# Altium PCB STB_LightBoard.PcbDoc (part 10 of 31)
Units mm, origin at the board's own origin, x right, y up, seen from the top; angles counter-clockwise.
Board outline 348 x 348 mm, 2 copper layers (Top Layer, Bottom Layer), stack 1.672 mm thick; 3807 components, 3391 nets, 11616 pads, 2553 vias.
Unrouted connection lines stored in the file: 68.
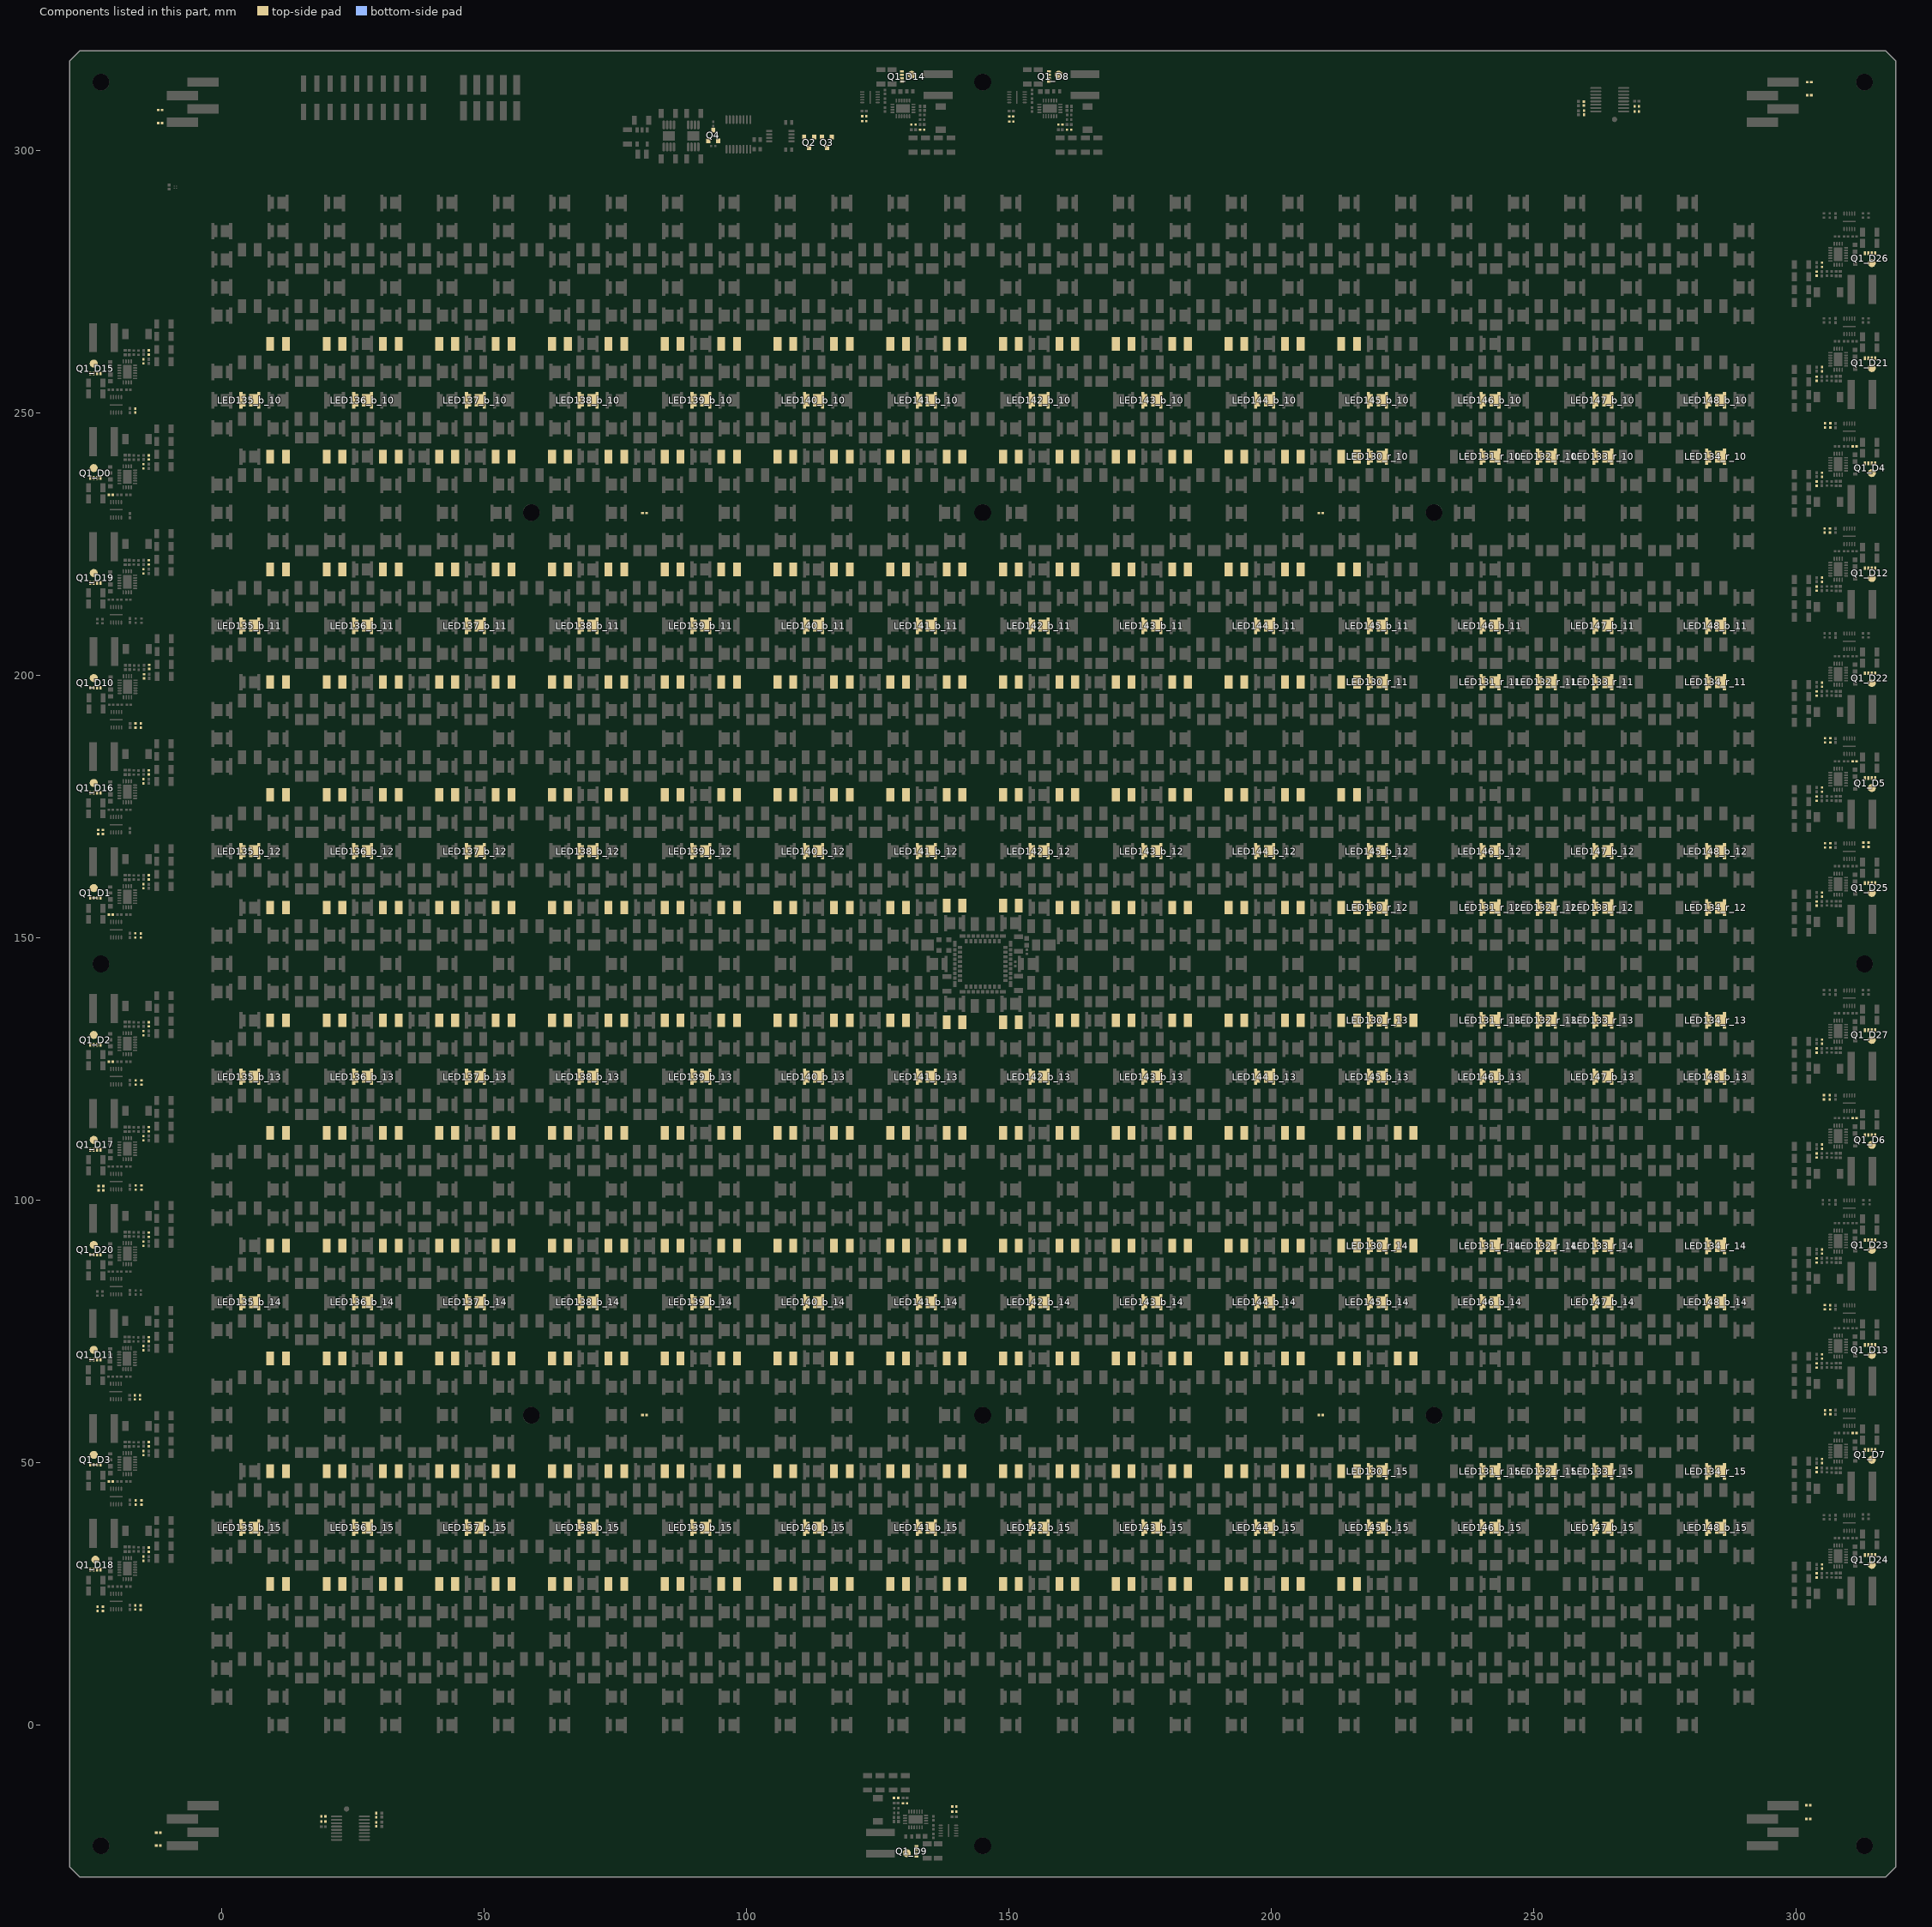
[diagram p10: the components of this part, seen from the top]

## Components (designator, comment, footprint, x,y, rotation, side; value= is the part's Value field where it differs from the comment) (continued)
LED109_IR850_22 "AREM-80C0-LM000" AREM-80C0-LM000 225.561,69.816 r0 top (schematic designator LED109)
LED109_IR850_23 "AREM-80C0-LM000" AREM-80C0-LM000 225.561,91.298 r0 top (schematic designator LED109)
LED109_IR850_24 "AREM-80C0-LM000" AREM-80C0-LM000 225.561,112.78 r0 top (schematic designator LED109)
LED109_IR850_25 "AREM-80C0-LM000" AREM-80C0-LM000 225.561,134.262 r0 top (schematic designator LED109)
LED110_IR850_10 "AREM-80C0-LM000" AREM-80C0-LM000 214.82,155.744 r0 top (schematic designator LED110)
LED110_IR850_11 "AREM-80C0-LM000" AREM-80C0-LM000 214.82,177.226 r0 top (schematic designator LED110)
LED110_IR850_12 "AREM-80C0-LM000" AREM-80C0-LM000 214.82,198.708 r0 top (schematic designator LED110)
LED110_IR850_13 "AREM-80C0-LM000" AREM-80C0-LM000 214.82,220.19 r0 top (schematic designator LED110)
LED110_IR850_14 "AREM-80C0-LM000" AREM-80C0-LM000 214.82,241.672 r0 top (schematic designator LED110)
LED110_IR850_15 "AREM-80C0-LM000" AREM-80C0-LM000 214.82,263.154 r0 top (schematic designator LED110)
LED110_IR850_20 "AREM-80C0-LM000" AREM-80C0-LM000 214.82,26.852 r0 top (schematic designator LED110)
LED110_IR850_21 "AREM-80C0-LM000" AREM-80C0-LM000 214.82,48.334 r0 top (schematic designator LED110)
LED110_IR850_22 "AREM-80C0-LM000" AREM-80C0-LM000 214.82,69.816 r0 top (schematic designator LED110)
LED110_IR850_23 "AREM-80C0-LM000" AREM-80C0-LM000 214.82,91.298 r0 top (schematic designator LED110)
LED110_IR850_24 "AREM-80C0-LM000" AREM-80C0-LM000 214.82,112.78 r0 top (schematic designator LED110)
LED110_IR850_25 "AREM-80C0-LM000" AREM-80C0-LM000 214.82,134.262 r0 top (schematic designator LED110)
LED111_IR850_10 "AREM-80C0-LM000" AREM-80C0-LM000 204.079,155.744 r0 top (schematic designator LED111)
LED111_IR850_11 "AREM-80C0-LM000" AREM-80C0-LM000 204.079,177.226 r0 top (schematic designator LED111)
LED111_IR850_12 "AREM-80C0-LM000" AREM-80C0-LM000 204.079,198.708 r0 top (schematic designator LED111)
LED111_IR850_13 "AREM-80C0-LM000" AREM-80C0-LM000 204.079,220.19 r0 top (schematic designator LED111)
LED111_IR850_14 "AREM-80C0-LM000" AREM-80C0-LM000 204.079,241.672 r0 top (schematic designator LED111)
LED111_IR850_15 "AREM-80C0-LM000" AREM-80C0-LM000 204.079,263.154 r0 top (schematic designator LED111)
LED111_IR850_20 "AREM-80C0-LM000" AREM-80C0-LM000 204.079,26.852 r0 top (schematic designator LED111)
LED111_IR850_21 "AREM-80C0-LM000" AREM-80C0-LM000 204.079,48.334 r0 top (schematic designator LED111)
LED111_IR850_22 "AREM-80C0-LM000" AREM-80C0-LM000 204.079,69.816 r0 top (schematic designator LED111)
LED111_IR850_23 "AREM-80C0-LM000" AREM-80C0-LM000 204.079,91.298 r0 top (schematic designator LED111)
LED111_IR850_24 "AREM-80C0-LM000" AREM-80C0-LM000 204.079,112.78 r0 top (schematic designator LED111)
LED111_IR850_25 "AREM-80C0-LM000" AREM-80C0-LM000 204.079,134.262 r0 top (schematic designator LED111)
LED112_IR850_10 "AREM-80C0-LM000" AREM-80C0-LM000 193.338,155.744 r0 top (schematic designator LED112)
LED112_IR850_11 "AREM-80C0-LM000" AREM-80C0-LM000 193.338,177.226 r0 top (schematic designator LED112)
LED112_IR850_12 "AREM-80C0-LM000" AREM-80C0-LM000 193.338,198.708 r0 top (schematic designator LED112)
LED112_IR850_13 "AREM-80C0-LM000" AREM-80C0-LM000 193.338,220.19 r0 top (schematic designator LED112)
LED112_IR850_14 "AREM-80C0-LM000" AREM-80C0-LM000 193.338,241.672 r0 top (schematic designator LED112)
LED112_IR850_15 "AREM-80C0-LM000" AREM-80C0-LM000 193.338,263.154 r0 top (schematic designator LED112)
LED112_IR850_20 "AREM-80C0-LM000" AREM-80C0-LM000 193.338,26.852 r0 top (schematic designator LED112)
LED112_IR850_21 "AREM-80C0-LM000" AREM-80C0-LM000 193.338,48.334 r0 top (schematic designator LED112)
LED112_IR850_22 "AREM-80C0-LM000" AREM-80C0-LM000 193.338,69.816 r0 top (schematic designator LED112)
LED112_IR850_23 "AREM-80C0-LM000" AREM-80C0-LM000 193.338,91.298 r0 top (schematic designator LED112)
LED112_IR850_24 "AREM-80C0-LM000" AREM-80C0-LM000 193.338,112.78 r0 top (schematic designator LED112)
LED112_IR850_25 "AREM-80C0-LM000" AREM-80C0-LM000 193.338,134.262 r0 top (schematic designator LED112)
LED113_IR850_10 "AREM-80C0-LM000" AREM-80C0-LM000 182.597,155.744 r0 top (schematic designator LED113)
LED113_IR850_11 "AREM-80C0-LM000" AREM-80C0-LM000 182.597,177.226 r0 top (schematic designator LED113)
LED113_IR850_12 "AREM-80C0-LM000" AREM-80C0-LM000 182.597,198.708 r0 top (schematic designator LED113)
LED113_IR850_13 "AREM-80C0-LM000" AREM-80C0-LM000 182.597,220.19 r0 top (schematic designator LED113)
LED113_IR850_14 "AREM-80C0-LM000" AREM-80C0-LM000 182.597,241.672 r0 top (schematic designator LED113)
LED113_IR850_15 "AREM-80C0-LM000" AREM-80C0-LM000 182.597,263.154 r0 top (schematic designator LED113)
LED113_IR850_20 "AREM-80C0-LM000" AREM-80C0-LM000 182.597,26.852 r0 top (schematic designator LED113)
LED113_IR850_21 "AREM-80C0-LM000" AREM-80C0-LM000 182.597,48.334 r0 top (schematic designator LED113)
LED113_IR850_22 "AREM-80C0-LM000" AREM-80C0-LM000 182.597,69.816 r0 top (schematic designator LED113)
LED113_IR850_23 "AREM-80C0-LM000" AREM-80C0-LM000 182.597,91.298 r0 top (schematic designator LED113)
LED113_IR850_24 "AREM-80C0-LM000" AREM-80C0-LM000 182.597,112.78 r0 top (schematic designator LED113)
LED113_IR850_25 "AREM-80C0-LM000" AREM-80C0-LM000 182.597,134.262 r0 top (schematic designator LED113)
LED114_IR850_10 "AREM-80C0-LM000" AREM-80C0-LM000 171.856,155.744 r0 top (schematic designator LED114)
LED114_IR850_11 "AREM-80C0-LM000" AREM-80C0-LM000 171.856,177.226 r0 top (schematic designator LED114)
LED114_IR850_12 "AREM-80C0-LM000" AREM-80C0-LM000 171.856,198.708 r0 top (schematic designator LED114)
LED114_IR850_13 "AREM-80C0-LM000" AREM-80C0-LM000 171.856,220.19 r0 top (schematic designator LED114)
LED114_IR850_14 "AREM-80C0-LM000" AREM-80C0-LM000 171.856,241.672 r0 top (schematic designator LED114)
LED114_IR850_15 "AREM-80C0-LM000" AREM-80C0-LM000 171.856,263.154 r0 top (schematic designator LED114)
LED114_IR850_20 "AREM-80C0-LM000" AREM-80C0-LM000 171.856,26.852 r0 top (schematic designator LED114)
LED114_IR850_21 "AREM-80C0-LM000" AREM-80C0-LM000 171.856,48.334 r0 top (schematic designator LED114)
LED114_IR850_22 "AREM-80C0-LM000" AREM-80C0-LM000 171.856,69.816 r0 top (schematic designator LED114)
LED114_IR850_23 "AREM-80C0-LM000" AREM-80C0-LM000 171.856,91.298 r0 top (schematic designator LED114)
LED114_IR850_24 "AREM-80C0-LM000" AREM-80C0-LM000 171.856,112.78 r0 top (schematic designator LED114)
LED114_IR850_25 "AREM-80C0-LM000" AREM-80C0-LM000 171.856,134.262 r0 top (schematic designator LED114)
LED115_IR850_10 "AREM-80C0-LM000" AREM-80C0-LM000 161.115,155.744 r0 top (schematic designator LED115)
LED115_IR850_11 "AREM-80C0-LM000" AREM-80C0-LM000 161.115,177.226 r0 top (schematic designator LED115)
LED115_IR850_12 "AREM-80C0-LM000" AREM-80C0-LM000 161.115,198.708 r0 top (schematic designator LED115)
LED115_IR850_13 "AREM-80C0-LM000" AREM-80C0-LM000 161.115,220.19 r0 top (schematic designator LED115)
LED115_IR850_14 "AREM-80C0-LM000" AREM-80C0-LM000 161.115,241.672 r0 top (schematic designator LED115)
LED115_IR850_15 "AREM-80C0-LM000" AREM-80C0-LM000 161.115,263.154 r0 top (schematic designator LED115)
LED115_IR850_20 "AREM-80C0-LM000" AREM-80C0-LM000 161.115,26.852 r0 top (schematic designator LED115)
LED115_IR850_21 "AREM-80C0-LM000" AREM-80C0-LM000 161.115,48.334 r0 top (schematic designator LED115)
LED115_IR850_22 "AREM-80C0-LM000" AREM-80C0-LM000 161.115,69.816 r0 top (schematic designator LED115)
LED115_IR850_23 "AREM-80C0-LM000" AREM-80C0-LM000 161.115,91.298 r0 top (schematic designator LED115)
LED115_IR850_24 "AREM-80C0-LM000" AREM-80C0-LM000 161.115,112.78 r0 top (schematic designator LED115)
LED115_IR850_25 "AREM-80C0-LM000" AREM-80C0-LM000 161.115,134.262 r0 top (schematic designator LED115)
LED116_IR850_10 "AREM-80C0-LM000" AREM-80C0-LM000 150.374,156.144 r0 top (schematic designator LED116)
LED116_IR850_11 "AREM-80C0-LM000" AREM-80C0-LM000 150.374,177.226 r0 top (schematic designator LED116)
LED116_IR850_12 "AREM-80C0-LM000" AREM-80C0-LM000 150.374,198.708 r0 top (schematic designator LED116)
LED116_IR850_13 "AREM-80C0-LM000" AREM-80C0-LM000 150.374,220.19 r0 top (schematic designator LED116)
LED116_IR850_14 "AREM-80C0-LM000" AREM-80C0-LM000 150.374,241.672 r0 top (schematic designator LED116)
LED116_IR850_15 "AREM-80C0-LM000" AREM-80C0-LM000 150.374,263.154 r0 top (schematic designator LED116)
LED116_IR850_20 "AREM-80C0-LM000" AREM-80C0-LM000 150.374,26.852 r0 top (schematic designator LED116)
LED116_IR850_21 "AREM-80C0-LM000" AREM-80C0-LM000 150.374,48.334 r0 top (schematic designator LED116)
LED116_IR850_22 "AREM-80C0-LM000" AREM-80C0-LM000 150.374,69.816 r0 top (schematic designator LED116)
LED116_IR850_23 "AREM-80C0-LM000" AREM-80C0-LM000 150.374,91.298 r0 top (schematic designator LED116)
LED116_IR850_24 "AREM-80C0-LM000" AREM-80C0-LM000 150.374,112.78 r0 top (schematic designator LED116)
LED116_IR850_25 "AREM-80C0-LM000" AREM-80C0-LM000 150.374,133.862 r0 top (schematic designator LED116)
LED117_IR850_10 "AREM-80C0-LM000" AREM-80C0-LM000 139.633,156.144 r0 top (schematic designator LED117)
LED117_IR850_11 "AREM-80C0-LM000" AREM-80C0-LM000 139.633,177.226 r0 top (schematic designator LED117)
LED117_IR850_12 "AREM-80C0-LM000" AREM-80C0-LM000 139.633,198.708 r0 top (schematic designator LED117)
LED117_IR850_13 "AREM-80C0-LM000" AREM-80C0-LM000 139.633,220.19 r0 top (schematic designator LED117)
LED117_IR850_14 "AREM-80C0-LM000" AREM-80C0-LM000 139.633,241.672 r0 top (schematic designator LED117)
LED117_IR850_15 "AREM-80C0-LM000" AREM-80C0-LM000 139.633,263.154 r0 top (schematic designator LED117)
LED117_IR850_20 "AREM-80C0-LM000" AREM-80C0-LM000 139.633,26.852 r0 top (schematic designator LED117)
LED117_IR850_21 "AREM-80C0-LM000" AREM-80C0-LM000 139.633,48.334 r0 top (schematic designator LED117)
LED117_IR850_22 "AREM-80C0-LM000" AREM-80C0-LM000 139.633,69.816 r0 top (schematic designator LED117)
LED117_IR850_23 "AREM-80C0-LM000" AREM-80C0-LM000 139.633,91.298 r0 top (schematic designator LED117)
LED117_IR850_24 "AREM-80C0-LM000" AREM-80C0-LM000 139.633,112.78 r0 top (schematic designator LED117)
LED117_IR850_25 "AREM-80C0-LM000" AREM-80C0-LM000 139.633,133.862 r0 top (schematic designator LED117)
LED118_IR850_10 "AREM-80C0-LM000" AREM-80C0-LM000 128.892,155.744 r0 top (schematic designator LED118)
LED118_IR850_11 "AREM-80C0-LM000" AREM-80C0-LM000 128.892,177.226 r0 top (schematic designator LED118)
LED118_IR850_12 "AREM-80C0-LM000" AREM-80C0-LM000 128.892,198.708 r0 top (schematic designator LED118)
LED118_IR850_13 "AREM-80C0-LM000" AREM-80C0-LM000 128.892,220.19 r0 top (schematic designator LED118)
LED118_IR850_14 "AREM-80C0-LM000" AREM-80C0-LM000 128.892,241.672 r0 top (schematic designator LED118)
LED118_IR850_15 "AREM-80C0-LM000" AREM-80C0-LM000 128.892,263.154 r0 top (schematic designator LED118)
LED118_IR850_20 "AREM-80C0-LM000" AREM-80C0-LM000 128.892,26.852 r0 top (schematic designator LED118)
LED118_IR850_21 "AREM-80C0-LM000" AREM-80C0-LM000 128.892,48.334 r0 top (schematic designator LED118)
LED118_IR850_22 "AREM-80C0-LM000" AREM-80C0-LM000 128.892,69.816 r0 top (schematic designator LED118)
LED118_IR850_23 "AREM-80C0-LM000" AREM-80C0-LM000 128.892,91.298 r0 top (schematic designator LED118)
LED118_IR850_24 "AREM-80C0-LM000" AREM-80C0-LM000 128.892,112.78 r0 top (schematic designator LED118)
LED118_IR850_25 "AREM-80C0-LM000" AREM-80C0-LM000 128.892,134.262 r0 top (schematic designator LED118)
LED119_IR850_10 "AREM-80C0-LM000" AREM-80C0-LM000 118.151,155.744 r0 top (schematic designator LED119)
LED119_IR850_11 "AREM-80C0-LM000" AREM-80C0-LM000 118.151,177.226 r0 top (schematic designator LED119)
LED119_IR850_12 "AREM-80C0-LM000" AREM-80C0-LM000 118.151,198.708 r0 top (schematic designator LED119)
LED119_IR850_13 "AREM-80C0-LM000" AREM-80C0-LM000 118.151,220.19 r0 top (schematic designator LED119)
LED119_IR850_14 "AREM-80C0-LM000" AREM-80C0-LM000 118.151,241.672 r0 top (schematic designator LED119)
LED119_IR850_15 "AREM-80C0-LM000" AREM-80C0-LM000 118.151,263.154 r0 top (schematic designator LED119)
LED119_IR850_20 "AREM-80C0-LM000" AREM-80C0-LM000 118.151,26.852 r0 top (schematic designator LED119)
LED119_IR850_21 "AREM-80C0-LM000" AREM-80C0-LM000 118.151,48.334 r0 top (schematic designator LED119)
LED119_IR850_22 "AREM-80C0-LM000" AREM-80C0-LM000 118.151,69.816 r0 top (schematic designator LED119)
LED119_IR850_23 "AREM-80C0-LM000" AREM-80C0-LM000 118.151,91.298 r0 top (schematic designator LED119)
LED119_IR850_24 "AREM-80C0-LM000" AREM-80C0-LM000 118.151,112.78 r0 top (schematic designator LED119)
LED119_IR850_25 "AREM-80C0-LM000" AREM-80C0-LM000 118.151,134.262 r0 top (schematic designator LED119)
LED120_IR850_10 "AREM-80C0-LM000" AREM-80C0-LM000 107.41,155.744 r0 top (schematic designator LED120)
LED120_IR850_11 "AREM-80C0-LM000" AREM-80C0-LM000 107.41,177.226 r0 top (schematic designator LED120)
LED120_IR850_12 "AREM-80C0-LM000" AREM-80C0-LM000 107.41,198.708 r0 top (schematic designator LED120)
LED120_IR850_13 "AREM-80C0-LM000" AREM-80C0-LM000 107.41,220.19 r0 top (schematic designator LED120)
LED120_IR850_14 "AREM-80C0-LM000" AREM-80C0-LM000 107.41,241.672 r0 top (schematic designator LED120)
LED120_IR850_15 "AREM-80C0-LM000" AREM-80C0-LM000 107.41,263.154 r0 top (schematic designator LED120)
LED120_IR850_20 "AREM-80C0-LM000" AREM-80C0-LM000 107.41,26.852 r0 top (schematic designator LED120)
LED120_IR850_21 "AREM-80C0-LM000" AREM-80C0-LM000 107.41,48.334 r0 top (schematic designator LED120)
LED120_IR850_22 "AREM-80C0-LM000" AREM-80C0-LM000 107.41,69.816 r0 top (schematic designator LED120)
LED120_IR850_23 "AREM-80C0-LM000" AREM-80C0-LM000 107.41,91.298 r0 top (schematic designator LED120)
LED120_IR850_24 "AREM-80C0-LM000" AREM-80C0-LM000 107.41,112.78 r0 top (schematic designator LED120)
LED120_IR850_25 "AREM-80C0-LM000" AREM-80C0-LM000 107.41,134.262 r0 top (schematic designator LED120)
LED121_IR850_10 "AREM-80C0-LM000" AREM-80C0-LM000 96.669,155.744 r0 top (schematic designator LED121)
LED121_IR850_11 "AREM-80C0-LM000" AREM-80C0-LM000 96.669,177.226 r0 top (schematic designator LED121)
LED121_IR850_12 "AREM-80C0-LM000" AREM-80C0-LM000 96.669,198.708 r0 top (schematic designator LED121)
LED121_IR850_13 "AREM-80C0-LM000" AREM-80C0-LM000 96.669,220.19 r0 top (schematic designator LED121)
LED121_IR850_14 "AREM-80C0-LM000" AREM-80C0-LM000 96.669,241.672 r0 top (schematic designator LED121)
LED121_IR850_15 "AREM-80C0-LM000" AREM-80C0-LM000 96.669,263.154 r0 top (schematic designator LED121)
LED121_IR850_20 "AREM-80C0-LM000" AREM-80C0-LM000 96.669,26.852 r0 top (schematic designator LED121)
LED121_IR850_21 "AREM-80C0-LM000" AREM-80C0-LM000 96.669,48.334 r0 top (schematic designator LED121)
LED121_IR850_22 "AREM-80C0-LM000" AREM-80C0-LM000 96.669,69.816 r0 top (schematic designator LED121)
LED121_IR850_23 "AREM-80C0-LM000" AREM-80C0-LM000 96.669,91.298 r0 top (schematic designator LED121)
LED121_IR850_24 "AREM-80C0-LM000" AREM-80C0-LM000 96.669,112.78 r0 top (schematic designator LED121)
LED121_IR850_25 "AREM-80C0-LM000" AREM-80C0-LM000 96.669,134.262 r0 top (schematic designator LED121)
LED122_IR850_10 "AREM-80C0-LM000" AREM-80C0-LM000 85.928,155.744 r0 top (schematic designator LED122)
LED122_IR850_11 "AREM-80C0-LM000" AREM-80C0-LM000 85.928,177.226 r0 top (schematic designator LED122)
LED122_IR850_12 "AREM-80C0-LM000" AREM-80C0-LM000 85.928,198.708 r0 top (schematic designator LED122)
LED122_IR850_13 "AREM-80C0-LM000" AREM-80C0-LM000 85.928,220.19 r0 top (schematic designator LED122)
LED122_IR850_14 "AREM-80C0-LM000" AREM-80C0-LM000 85.928,241.672 r0 top (schematic designator LED122)
LED122_IR850_15 "AREM-80C0-LM000" AREM-80C0-LM000 85.928,263.154 r0 top (schematic designator LED122)
LED122_IR850_20 "AREM-80C0-LM000" AREM-80C0-LM000 85.928,26.852 r0 top (schematic designator LED122)
LED122_IR850_21 "AREM-80C0-LM000" AREM-80C0-LM000 85.928,48.334 r0 top (schematic designator LED122)
LED122_IR850_22 "AREM-80C0-LM000" AREM-80C0-LM000 85.928,69.816 r0 top (schematic designator LED122)
LED122_IR850_23 "AREM-80C0-LM000" AREM-80C0-LM000 85.928,91.298 r0 top (schematic designator LED122)
LED122_IR850_24 "AREM-80C0-LM000" AREM-80C0-LM000 85.928,112.78 r0 top (schematic designator LED122)
LED122_IR850_25 "AREM-80C0-LM000" AREM-80C0-LM000 85.928,134.262 r0 top (schematic designator LED122)
LED123_IR850_10 "AREM-80C0-LM000" AREM-80C0-LM000 75.187,155.744 r0 top (schematic designator LED123)
LED123_IR850_11 "AREM-80C0-LM000" AREM-80C0-LM000 75.187,177.226 r0 top (schematic designator LED123)
LED123_IR850_12 "AREM-80C0-LM000" AREM-80C0-LM000 75.187,198.708 r0 top (schematic designator LED123)
LED123_IR850_13 "AREM-80C0-LM000" AREM-80C0-LM000 75.187,220.19 r0 top (schematic designator LED123)
LED123_IR850_14 "AREM-80C0-LM000" AREM-80C0-LM000 75.187,241.672 r0 top (schematic designator LED123)
LED123_IR850_15 "AREM-80C0-LM000" AREM-80C0-LM000 75.187,263.154 r0 top (schematic designator LED123)
LED123_IR850_20 "AREM-80C0-LM000" AREM-80C0-LM000 75.187,26.852 r0 top (schematic designator LED123)
LED123_IR850_21 "AREM-80C0-LM000" AREM-80C0-LM000 75.187,48.334 r0 top (schematic designator LED123)
LED123_IR850_22 "AREM-80C0-LM000" AREM-80C0-LM000 75.187,69.816 r0 top (schematic designator LED123)
LED123_IR850_23 "AREM-80C0-LM000" AREM-80C0-LM000 75.187,91.298 r0 top (schematic designator LED123)
LED123_IR850_24 "AREM-80C0-LM000" AREM-80C0-LM000 75.187,112.78 r0 top (schematic designator LED123)
LED123_IR850_25 "AREM-80C0-LM000" AREM-80C0-LM000 75.187,134.262 r0 top (schematic designator LED123)
LED124_IR850_10 "AREM-80C0-LM000" AREM-80C0-LM000 64.446,155.744 r0 top (schematic designator LED124)
LED124_IR850_11 "AREM-80C0-LM000" AREM-80C0-LM000 64.446,177.226 r0 top (schematic designator LED124)
LED124_IR850_12 "AREM-80C0-LM000" AREM-80C0-LM000 64.446,198.708 r0 top (schematic designator LED124)
LED124_IR850_13 "AREM-80C0-LM000" AREM-80C0-LM000 64.446,220.19 r0 top (schematic designator LED124)
LED124_IR850_14 "AREM-80C0-LM000" AREM-80C0-LM000 64.446,241.672 r0 top (schematic designator LED124)
LED124_IR850_15 "AREM-80C0-LM000" AREM-80C0-LM000 64.446,263.154 r0 top (schematic designator LED124)
LED124_IR850_20 "AREM-80C0-LM000" AREM-80C0-LM000 64.446,26.852 r0 top (schematic designator LED124)
LED124_IR850_21 "AREM-80C0-LM000" AREM-80C0-LM000 64.446,48.334 r0 top (schematic designator LED124)
LED124_IR850_22 "AREM-80C0-LM000" AREM-80C0-LM000 64.446,69.816 r0 top (schematic designator LED124)
LED124_IR850_23 "AREM-80C0-LM000" AREM-80C0-LM000 64.446,91.298 r0 top (schematic designator LED124)
LED124_IR850_24 "AREM-80C0-LM000" AREM-80C0-LM000 64.446,112.78 r0 top (schematic designator LED124)
LED124_IR850_25 "AREM-80C0-LM000" AREM-80C0-LM000 64.446,134.262 r0 top (schematic designator LED124)
LED125_IR850_10 "AREM-80C0-LM000" AREM-80C0-LM000 53.705,155.744 r0 top (schematic designator LED125)
LED125_IR850_11 "AREM-80C0-LM000" AREM-80C0-LM000 53.705,177.226 r0 top (schematic designator LED125)
LED125_IR850_12 "AREM-80C0-LM000" AREM-80C0-LM000 53.705,198.708 r0 top (schematic designator LED125)
LED125_IR850_13 "AREM-80C0-LM000" AREM-80C0-LM000 53.705,220.19 r0 top (schematic designator LED125)
LED125_IR850_14 "AREM-80C0-LM000" AREM-80C0-LM000 53.705,241.672 r0 top (schematic designator LED125)
LED125_IR850_15 "AREM-80C0-LM000" AREM-80C0-LM000 53.705,263.154 r0 top (schematic designator LED125)
LED125_IR850_20 "AREM-80C0-LM000" AREM-80C0-LM000 53.705,26.852 r0 top (schematic designator LED125)
LED125_IR850_21 "AREM-80C0-LM000" AREM-80C0-LM000 53.705,48.334 r0 top (schematic designator LED125)
LED125_IR850_22 "AREM-80C0-LM000" AREM-80C0-LM000 53.705,69.816 r0 top (schematic designator LED125)
LED125_IR850_23 "AREM-80C0-LM000" AREM-80C0-LM000 53.705,91.298 r0 top (schematic designator LED125)
LED125_IR850_24 "AREM-80C0-LM000" AREM-80C0-LM000 53.705,112.78 r0 top (schematic designator LED125)
LED125_IR850_25 "AREM-80C0-LM000" AREM-80C0-LM000 53.705,134.262 r0 top (schematic designator LED125)
LED126_IR850_10 "AREM-80C0-LM000" AREM-80C0-LM000 42.964,155.744 r0 top (schematic designator LED126)